# KiCad board uC_TP_Boussole_mb.kicad_pcb
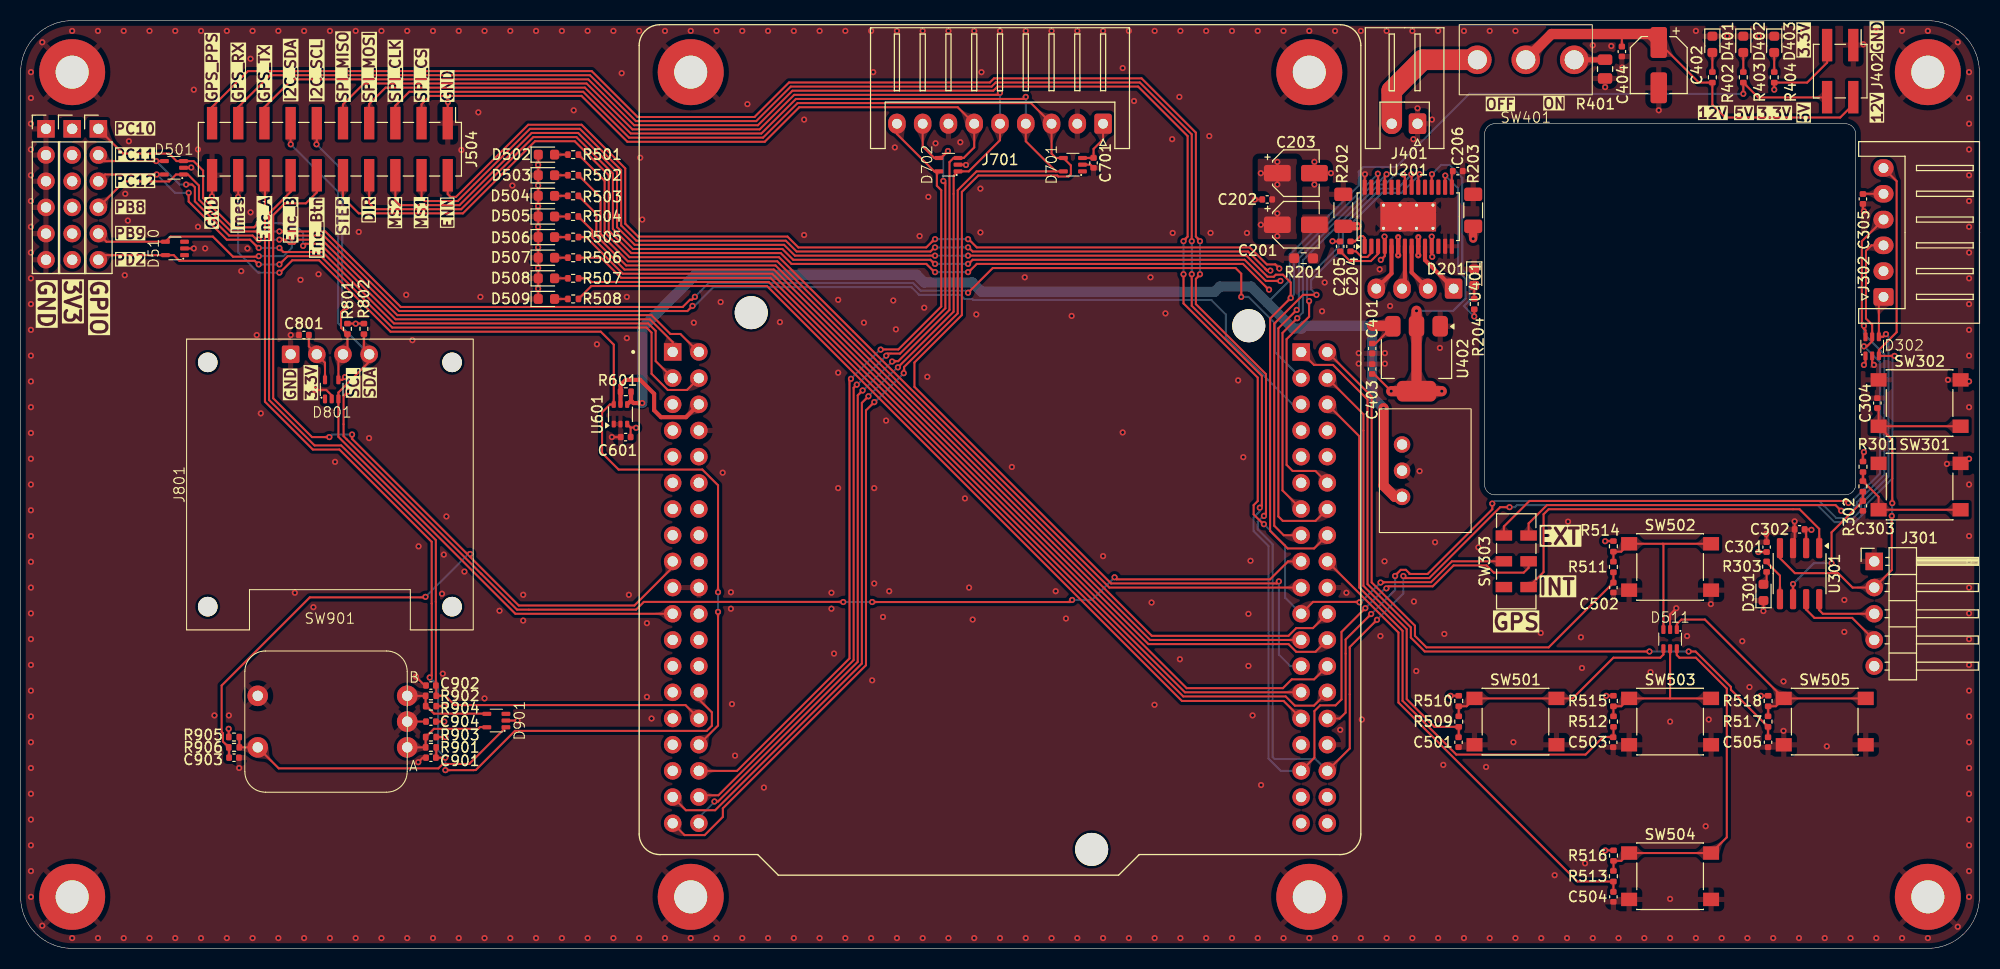
[diagram p0: board, top side]
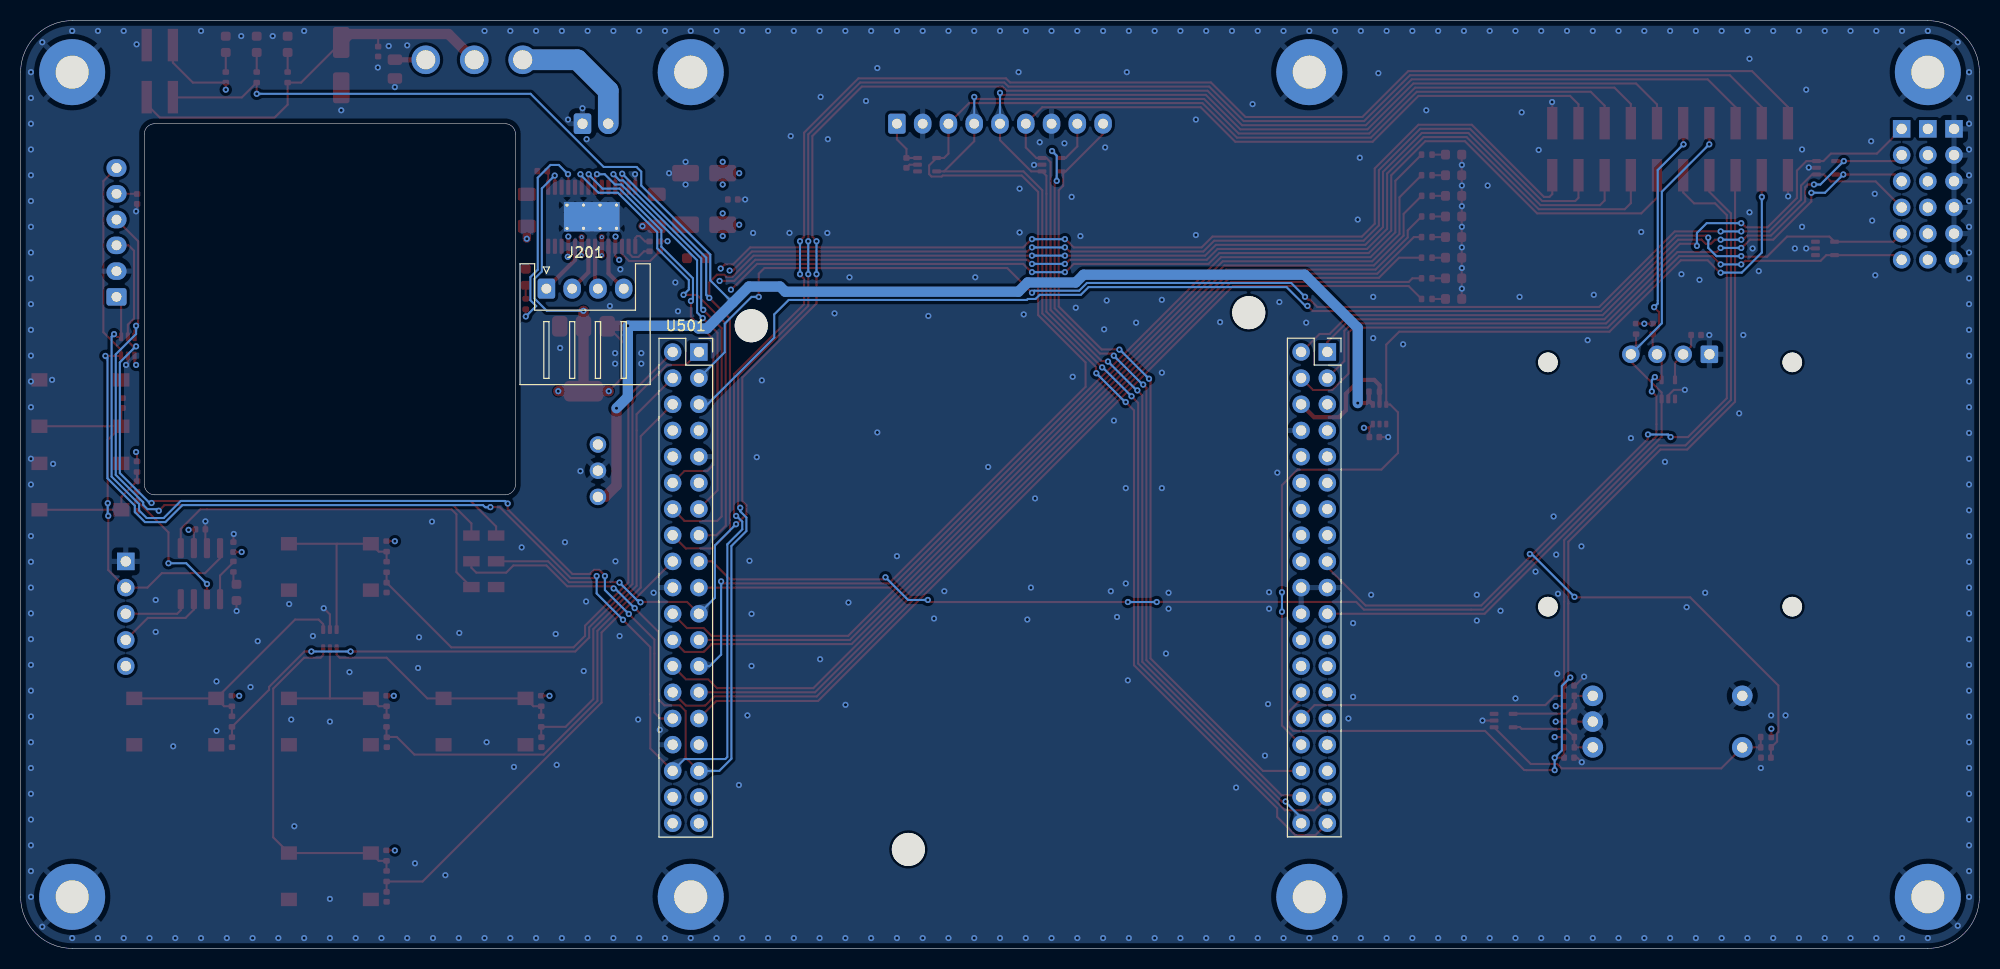
[diagram p1: board, bottom side, seen from below]

Outline 190 x 90 mm; copper layers: Top, In1.Cu, In2.Cu, Bottom. Coordinates in mm from the lower left corner of the outline.
Outline path: 0,85 0,5 arc(1.46,1.46) 5,0 185,0 arc(188.54,1.46) 190,5 190,85 arc(188.54,88.54) 185,90 5,90 arc(1.46,88.54) 0,85 ; 142,79 arc(142.29,79.71) 143,80 177,80 arc(177.71,79.71) 178,79 178,45 arc(177.71,44.29) 177,44 143,44 arc(142.29,44.29) 142,45 142,79
Stack: Top 0.035mm / dielectric 0.1mm FR4 er 4.5 / In1.Cu 0.035mm / dielectric 1.24mm FR4 er 4.5 / In2.Cu 0.035mm / dielectric 0.1mm FR4 er 4.5 / Bottom 0.035mm

## Placement (name value [footprint] x y rotation side)
C201  10u  [CP_Elec_4x5.7]  123.7 70.2 0 top
C202  100n  [C_0402_1005Metric]  120.92 72.65 180 top
C203  10u  [CP_Elec_4x5.7]  123.7 75.2 0 top
C204  22n  [C_0402_1005Metric]  129 68.1 90 top
C205  100n  [C_0402_1005Metric]  128 68.1 270 top
C206  4u7  [C_0402_1005Metric]  139.4 75.4 180 top
C301  4u7  [C_0402_1005Metric]  169.36 38.93 90 top
C302  100n  [C_0402_1005Metric]  172.56 40.65 180 top
C303  10n  [C_0402_1005Metric]  178.7 42.92 270 top
C304  100n  [C_0402_1005Metric]  180.1 52.9 90 top
C305  1u  [C_0402_1005Metric]  178.7 72.7 270 top
C401  10u  [C_0402_1005Metric]  131.1 58.2 270 top
C402  22u  [CP_Elec_5x5.4]  158.9 85.68 270 top
C403  100u  [C_0402_1005Metric]  131.1 56.2 90 top
C404  100n  [C_0402_1005Metric]  155.32 87 270 top
C501  10n  [C_0402_1005Metric]  139.48 20 270 top
C502  10n  [C_0402_1005Metric]  154.5 35 270 top
C503  10n  [C_0402_1005Metric]  154.48 20 270 top
C504  10n  [C_0402_1005Metric]  154.5 5 270 top
C505  10n  [C_0402_1005Metric]  169.5 20 270 top
C601  100n  [C_0402_1005Metric]  58.69 49.6 180 top
C701  1u  [C_0402_1005Metric]  104.07 76.2 270 top
C801  1u  [C_0402_1005Metric]  27.48 59.5 180 top
C901  10n  [C_0402_1005Metric]  39.8 18.5 180 top
C902  10n  [C_0402_1005Metric]  39.8 25.5 180 top
C903  10n  [C_0402_1005Metric]  20.7 18.5 0 top
C904  100n  [C_0402_1005Metric]  39.8 22 180 top
D201  RED_LED  [LED_0603_1608Metric]  141 65.11 270 top
D301  RED_LED  [LED_0603_1608Metric]  169.06 34.53 90 top
D302  WE 82402375  [SC70-6L]  179.6 58.4 0 top
D401  RED_LED  [LED_0603_1608Metric]  164.1 87.7 270 top
D402  RED_LED  [LED_0603_1608Metric]  167.1 87.7 270 top
D403  RED_LED  [LED_0603_1608Metric]  170.1 87.7 270 top
D501  WE 82402374  [SC70-5L]  14.9 75.72 90 top
D502  RED_LED  [LED_0603_1608Metric]  51 77 0 top
D503  AMBER_LED  [LED_0603_1608Metric]  51 75 0 top
D504  YELLOW_LED  [LED_0603_1608Metric]  51 73 0 top
D505  GREEN_LED  [LED_0603_1608Metric]  51 71 0 top
D506  GREEN_LED  [LED_0603_1608Metric]  51 69 0 top
D507  GREEN_LED  [LED_0603_1608Metric]  51 67 0 top
D508  GREEN_LED  [LED_0603_1608Metric]  51 65 0 top
D509  GREEN_LED  [LED_0603_1608Metric]  51 63 0 top
D510  WE 82402374  [SC70-5L]  15 67.9 90 top
D511  WE 82402375  [SC70-6L]  160 30 180 top
D701  WE 82402374  [SC70-5L]  102.1 76.03 90 top
D702  WE 82402374  [SC70-5L]  90.03 76.03 90 top
D801  WE 82402374  [SC70-5L]  30.17 54.2 0 top
D901  WE 82402374  [SC70-5L]  46.17 22.1 90 top
H101  MountingHole_Pad  [MountingHole_3.2mm_M3_Pad]  5 85 0 top
H102  MountingHole_Pad  [MountingHole_3.2mm_M3_Pad]  65 85 0 top
H103  MountingHole_Pad  [MountingHole_3.2mm_M3_Pad]  125 85 0 top
H104  MountingHole_Pad  [MountingHole_3.2mm_M3_Pad]  185 85 0 top
H105  MountingHole_Pad  [MountingHole_3.2mm_M3_Pad]  185 5 0 top
H106  MountingHole_Pad  [MountingHole_3.2mm_M3_Pad]  125 5 0 top
H107  MountingHole_Pad  [MountingHole_3.2mm_M3_Pad]  65 5 0 top
H108  MountingHole_Pad  [MountingHole_3.2mm_M3_Pad]  5 5 0 top
J201  Conn_01x04  [JST_XH_S4B-XH-A_1x04_P2.50mm_Horizontal]  139 64 180 bottom
J301  Conn_01x05  [PinHeader_1x05_P2.54mm_Horizontal]  179.8 37.54 0 top
J302  Conn_01x06  [JST_XH_S6B-XH-A_1x06_P2.50mm_Horizontal]  180.7 63.2 90 top
J401  Conn_01x02  [JST_XH_S2B-XH-A_1x02_P2.50mm_Horizontal]  135.5 80 180 top
J402  Conn_02x02_Counter_Clockwise  [PinHeader_2x02_P2.54mm_Vertical_SMD]  176.5 85.1 270 top
J501  Conn_01x06  [PinHeader_1x06_P2.54mm_Vertical]  2.46 79.5 0 top
J502  Conn_01x06  [PinHeader_1x06_P2.54mm_Vertical]  5 79.5 0 top
J503  Conn_01x06  [PinHeader_1x06_P2.54mm_Vertical]  7.54 79.5 0 top
J504  Conn_02x10_Odd_Even  [PinHeader_2x10_P2.54mm_Vertical_SMD]  30 77.53 270 top
J701  Conn_01x09  [JST_XH_S9B-XH-A_1x09_P2.50mm_Horizontal]  105 80 180 top
J801  Conn_01x04  [SBC-OLED01]  30 45 0 top
R201  110m  [R_0603_1608Metric_Pad0.98x0.95mm_HandSolder]  124.45 66.95 180 top
R202  680m  [R_1206_3216Metric_Pad1.30x1.75mm_HandSolder]  128.3 71.6 90 top
R203  680m  [R_1206_3216Metric_Pad1.30x1.75mm_HandSolder]  140.9 71.6 90 top
R204  820  [R_0402_1005Metric]  141 62.51 270 top
R301  10k  [R_0402_1005Metric]  178.71 46.72 90 top
R302  10k  [R_0402_1005Metric]  178.7 44.82 270 top
R303  800  [R_0402_1005Metric]  169.36 37.03 270 top
R401  1k  [R_0805_2012Metric]  153.69 85.3 270 top
R402  5k1  [R_0402_1005Metric]  164.1 84.5 90 top
R403  1k6  [R_0402_1005Metric]  167.1 84.5 90 top
R404  820  [R_0402_1005Metric]  170.1 84.5 90 top
R501  800  [R_0402_1005Metric]  53.6 77 180 top
R502  850  [R_0402_1005Metric]  53.6 75 180 top
R503  800  [R_0402_1005Metric]  53.59 73 180 top
R504  400  [R_0402_1005Metric]  53.59 71 180 top
R505  400  [R_0402_1005Metric]  53.6 69 180 top
R506  400  [R_0402_1005Metric]  53.6 67 180 top
R507  400  [R_0402_1005Metric]  53.6 65 180 top
R508  400  [R_0402_1005Metric]  53.6 63 180 top
R509  10k  [R_0402_1005Metric]  139.5 22 90 top
R510  10k  [R_0402_1005Metric]  139.5 24 90 top
R511  10k  [R_0402_1005Metric]  154.5 37 90 top
R512  10k  [R_0402_1005Metric]  154.51 22 90 top
R513  10k  [R_0402_1005Metric]  154.5 7 90 top
R514  10k  [R_0402_1005Metric]  154.5 39 90 top
R515  10k  [R_0402_1005Metric]  154.5 24 90 top
R516  10k  [R_0402_1005Metric]  154.51 9 90 top
R517  10k  [R_0402_1005Metric]  169.5 22 90 top
R518  10k  [R_0402_1005Metric]  169.51 24 90 top
R601  30m  [R_0402_1005Metric]  58.7 54 180 top
R801  1k  [R_0402_1005Metric]  31.7 60.1 90 top
R802  1k  [R_0402_1005Metric]  33.3 60.1 90 top
R901  10k  [R_0402_1005Metric]  39.8 19.5 180 top
R902  10k  [R_0402_1005Metric]  39.8 24.5 180 top
R903  10k  [R_0402_1005Metric]  39.8 20.5 180 top
R904  10k  [R_0402_1005Metric]  39.8 23.5 180 top
R905  10k  [R_0402_1005Metric]  20.7 20.5 0 top
R906  10k  [R_0402_1005Metric]  20.7 19.5 180 top
SW301  SW_Push  [SW_Push_1P1T_NO_6x6mm_H9.5mm]  184.2 44.8 0 top
SW302  SW_Push  [SW_Push_1P1T_NO_6x6mm_H9.5mm]  184.2 52.9 0 top
SW303  SW_Push_DPDT  [SW_DPDT_CK_JS202011JCQN]  145.07 37.55 90 top
SW401  SW_SPDT  [472121020311]  146 86.2 0 top
SW501  SW_Push  [SW_Push_1P1T_NO_6x6mm_H9.5mm]  145 22 0 top
SW502  SW_Push  [SW_Push_1P1T_NO_6x6mm_H9.5mm]  160 37 0 top
SW503  SW_Push  [SW_Push_1P1T_NO_6x6mm_H9.5mm]  160 22 0 top
SW504  SW_Push  [SW_Push_1P1T_NO_6x6mm_H9.5mm]  160 7 0 top
SW505  SW_Push  [SW_Push_1P1T_NO_6x6mm_H9.5mm]  175 22 0 top
SW901  RotaryEncoder_Switch  [482016514001_Mechanical_Incremental_Encoder_Switch]  30 22 0 top
U201  TMC2225-SA-T  [HTSSOP-28-1EP_4.4x9.7mm_P0.65mm_EP2.85x5.4mm_ThermalVias]  134.6 70.97 90 top
U301  STM32C011J4Mx  [SOIC-8_3.9x4.9mm_P1.27mm]  172.56 36.35 270 top
U401  173010542  [173010xxx]  134 46.34 270 top
U402  AMS1117-3.3  [SOT-223-3_TabPin2]  135.4 57.2 270 top
U501  NUCLEO_L476RG  [ST_NUCLEO_64]  95 35 0 top
U601  NCS199A3RSQT2G  [SOT-363_SC-70-6]  58.19 51.81 90 top

## Library data of the parts
C201 C203 = -: ki_fp_filters: CP_*
C202 C205 C206 = -: ki_fp_filters: C_*
C204 = -: Vmax: 50V; ki_fp_filters: C_*
C301-C305 C401 C403 C404 C501-C505 C601 C701 C801 C901-C904 = -: Description: Unpolarized capacitor, small symbol; ki_fp_filters: C_*
C402 = -: Description: Polarized capacitor; MPN: 865060442002; ki_fp_filters: CP_*
D201 D301 D401-D403 D502 = -: Datasheet: https://www.we-online.com/components/products/datasheet/150060RS55040.pdf; Description: Light emitting diode; MPN: 150060RS55040; ki_fp_filters: LED* LED_SMD:* LED_THT:*
D302 D511 = -: Datasheet: https://www.we-online.com/components/products/datasheet/82402375.pdf; Description: TVS 5V x5
D501 D510 D701 D702 D801 D901 = -: Datasheet: https://www.we-online.com/components/products/datasheet/82402374.pdf; Description: TVS 5V x4
D503 = -: Datasheet: https://www.we-online.com/components/products/datasheet/150060AS55040.pdf; Description: Light emitting diode; MPN: 150060AS55040; ki_fp_filters: LED* LED_SMD:* LED_THT:*
D504 = -: Datasheet: https://www.we-online.com/components/products/datasheet/150060YS55040.pdf; Description: Light emitting diode; MPN: 150060YS55040; ki_fp_filters: LED* LED_SMD:* LED_THT:*
D505-D509 = -: Datasheet: https://www.we-online.com/components/products/datasheet/150060GS55040.pdf; Description: Light emitting diode; MPN: 150060GS55040; ki_fp_filters: LED* LED_SMD:* LED_THT:*
H101-H108 = -: Description: Mounting Hole with connection; ki_fp_filters: MountingHole*Pad*
J201 J801 = -: Description: Generic connector, single row, 01x04, script generated (kicad-library-utils/schlib/autogen/connector/); ki_fp_filters: Connector*:*_1x??_*
J301 = -: Description: Generic connector, single row, 01x05, script generated (kicad-library-utils/schlib/autogen/connector/); ki_fp_filters: Connector*:*_1x??_*
J302 J501-J503 = -: Description: Generic connector, single row, 01x06, script generated (kicad-library-utils/schlib/autogen/connector/); ki_fp_filters: Connector*:*_1x??_*
J401 = -: Description: Generic connector, single row, 01x02, script generated (kicad-library-utils/schlib/autogen/connector/); ki_fp_filters: Connector*:*_1x??_*
J402 = -: Datasheet: https://www.we-online.com/components/products/datasheet/61000421121.pdf; Description: Generic connector, double row, 02x02, counter clockwise pin numbering scheme (similar to DIP package numbering), script generated (kicad-library-utils/schlib/autogen/connector/); MPN: 61000421121; ki_fp_filters: Connector*:*_2x??_*
J504 = -: Datasheet: https://www.we-online.com/components/products/datasheet/61002021121.pdf; Description: Generic connector, double row, 02x10, odd/even pin numbering scheme (row 1 odd numbers, row 2 even numbers), script generated (kicad-library-utils/schlib/autogen/connector/); MPN: 61002021121; ki_fp_filters: Connector*:*_2x??_*
J701 = -: Description: Generic connector, single row, 01x09, script generated (kicad-library-utils/schlib/autogen/connector/); ki_fp_filters: Connector*:*_1x??_*
R201-R204 = -: ki_fp_filters: R_*
R301-R303 R401-R404 R501-R518 R601 R801 R802 R901-R906 = -: Description: Resistor, small symbol; ki_fp_filters: R_*
SW301 SW302 SW501-SW505 = -: Description: Push button switch, generic, two pins
SW303 = -: Description: Momentary Switch, dual pole double throw
SW401 = -: Datasheet: https://www.we-online.com/components/products/datasheet/472121020311.pdf; Description: Switch, single pole double throw; MPN: 472121020311
SW901 = -: Datasheet: https://www.we-online.com/components/products/datasheet/482016514001.pdf; Description: Rotary encoder, dual channel, incremental quadrate outputs, with switch; MPN: 482016514001; ki_fp_filters: RotaryEncoder*Switch*
U201 = -: Datasheet: https://www.analog.com/media/en/technical-documentation/data-sheets/TMC2225_datasheet_rev1.15.pdf
U301 = -: Datasheet: https://www.st.com/resource/en/datasheet/stm32c011j4.pdf; Description: STMicroelectronics Arm Cortex-M0+ MCU, 16KB flash, 6KB RAM, 48 MHz, 2.0-3.6V, 6 GPIO, SO8N; ki_fp_filters: SO*3.9x4.9mm*P1.27mm*
U401 = -: Datasheet: https://www.we-online.com/components/products/datasheet/173010542.pdf; ki_fp_filters: CONN3_10542_WRE
U402 = -: Datasheet: http://www.advanced-monolithic.com/pdf/ds1117.pdf; Description: 1A Low Dropout regulator, positive, 3.3V fixed output, SOT-223; ki_fp_filters: SOT?223*TabPin2*
U601 = -: Datasheet: https://www.mouser.fr/datasheet/2/308/1/NCS199A1R_D-2317315.pdf

## Footprints (pads in the part's own frame, mm; a bottom-side part is the same pattern mirrored in y, then rotated)
173010xxx
  round 1.6 hole 1: 1(-2.54,0) 2(0,0) 3(2.54,0)
472121020311
  round 2.775 hole 1.85: 1(-4.7,0) 2(0,0) 3(4.7,0)
482016514001_Mechanical_Incremental_Encoder_Switch
  round 2 hole 1: A(7.5,-2.5) B(7.5,2.5) C(7.5,0) S1(-7,-2.5) S2(-7,2.5)
C_0402_1005Metric
  rrect 0.56x0.62 smd: 1(-0.48,0) 2(0.48,0)
CP_Elec_4x5.7
  rrect 2.6x1.6 smd: 1(-1.8,0) 2(1.8,0)
CP_Elec_5x5.4
  rrect 3x1.6 smd: 1(-2.2,0) 2(2.2,0)
HTSSOP-28-1EP_4.4x9.7mm_P0.65mm_EP2.85x5.4mm_ThermalVias
  rrect 2.3x1.45 smd: (0,1.8) (0,0) (0,-1.8)
  rrect 1.475x0.4 smd: 1(-2.862,4.225) 2(-2.862,3.575) 3(-2.862,2.925) 4(-2.862,2.275) 5(-2.862,1.625) 6(-2.862,0.975) 7(-2.862,0.325) 8(-2.862,-0.325) 9(-2.862,-0.975) 10(-2.862,-1.625) 11(-2.862,-2.275) 12(-2.862,-2.925) 13(-2.862,-3.575) 14(-2.862,-4.225) 15(2.862,-4.225) 16(2.862,-3.575) 17(2.862,-2.925) 18(2.862,-2.275) 19(2.862,-1.625) 20(2.862,-0.975) 21(2.862,-0.325) 22(2.862,0.325) 23(2.862,0.975) 24(2.862,1.625) 25(2.862,2.275) 26(2.862,2.925) 27(2.862,3.575) 28(2.862,4.225)
  round 0.6 hole 0.3: 29(-1.125,2.4) 29(-1.125,0.8) 29(-1.125,-0.8) 29(-1.125,-2.4) 29(1.125,2.4) 29(1.125,0.8) 29(1.125,-0.8) 29(1.125,-2.4)
  rect 2.85x5.4 smd: 29(0,0)
  rect 2.85x5.4 smd far side: 29(0,0)
JST_XH_S2B-XH-A_1x02_P2.50mm_Horizontal
  rrect 1.7x2 hole 1: 1(0,0)
  oval 1.7x2 hole 1: 2(2.5,0)
JST_XH_S4B-XH-A_1x04_P2.50mm_Horizontal
  rrect 1.7x1.95 hole 0.95: 1(0,0)
  oval 1.7x1.95 hole 0.95: 2(2.5,0) 3(5,0) 4(7.5,0)
JST_XH_S6B-XH-A_1x06_P2.50mm_Horizontal
  rrect 1.7x1.95 hole 0.95: 1(0,0)
  oval 1.7x1.95 hole 0.95: 2(2.5,0) 3(5,0) 4(7.5,0) 5(10,0) 6(12.5,0)
JST_XH_S9B-XH-A_1x09_P2.50mm_Horizontal
  rrect 1.7x1.95 hole 0.95: 1(0,0)
  oval 1.7x1.95 hole 0.95: 2(2.5,0) 3(5,0) 4(7.5,0) 5(10,0) 6(12.5,0) 7(15,0) 8(17.5,0) 9(20,0)
LED_0603_1608Metric
  rrect 0.875x0.95 smd: 1(-0.787,0) 2(0.787,0)
MountingHole_3.2mm_M3_Pad
  round 6.4 hole 3.2: 1(0,0)
PinHeader_1x05_P2.54mm_Horizontal
  rect 1.7x1.7 hole 1: 1(0,0)
  oval 1.7x1.7 hole 1: 2(0,-2.54) 3(0,-5.08) 4(0,-7.62) 5(0,-10.16)
PinHeader_1x06_P2.54mm_Vertical
  rect 1.7x1.7 hole 1: 1(0,0)
  oval 1.7x1.7 hole 1: 2(0,-2.54) 3(0,-5.08) 4(0,-7.62) 5(0,-10.16) 6(0,-12.7)
PinHeader_2x02_P2.54mm_Vertical_SMD
  rect 3.15x1 smd: 1(-2.525,1.27) 2(2.525,1.27) 3(-2.525,-1.27) 4(2.525,-1.27)
PinHeader_2x10_P2.54mm_Vertical_SMD
  rect 3.15x1 smd: 1(-2.525,11.43) 2(2.525,11.43) 3(-2.525,8.89) 4(2.525,8.89) 5(-2.525,6.35) 6(2.525,6.35) 7(-2.525,3.81) 8(2.525,3.81) 9(-2.525,1.27) 10(2.525,1.27) 11(-2.525,-1.27) 12(2.525,-1.27) 13(-2.525,-3.81) 14(2.525,-3.81) 15(-2.525,-6.35) 16(2.525,-6.35) 17(-2.525,-8.89) 18(2.525,-8.89) 19(-2.525,-11.43) 20(2.525,-11.43)
R_0402_1005Metric
  rrect 0.54x0.64 smd: 1(-0.51,0) 2(0.51,0)
R_0603_1608Metric_Pad0.98x0.95mm_HandSolder
  rrect 0.975x0.95 smd: 1(-0.912,0) 2(0.912,0)
R_0805_2012Metric
  rrect 1.025x1.4 smd: 1(-0.912,0) 2(0.912,0)
R_1206_3216Metric_Pad1.30x1.75mm_HandSolder
  rrect 1.3x1.75 smd: 1(-1.55,0) 2(1.55,0)
SBC-OLED01
  round 1.9 hole 1.9 unplated: (-11.85,11.85) (-11.85,-11.85) (11.85,11.85) (11.85,-11.85)
  rrect 1.7x1.7 hole 1: 1(-3.81,12.63)
  round 1.7 hole 1: 2(-1.27,12.63) 3(1.27,12.63) 4(3.81,12.63)
SC70-5L
  rrect 0.4x0.85 smd: 1(-0.65,-0.9) 2(0,-0.9) 3(0.65,-0.9) 4(0.65,0.95) 5(-0.65,0.95)
SC70-6L
  rrect 0.4x0.85 smd: 1(-0.65,-0.925) 2(0,-0.925) 3(0.65,-0.925) 4(0.65,0.925) 5(0,0.925) 6(-0.65,0.925)
SOIC-8_3.9x4.9mm_P1.27mm
  rrect 1.95x0.6 smd: 1(-2.475,1.905) 2(-2.475,0.635) 3(-2.475,-0.635) 4(-2.475,-1.905) 5(2.475,-1.905) 6(2.475,-0.635) 7(2.475,0.635) 8(2.475,1.905)
SOT-223-3_TabPin2
  rrect 2x1.5 smd: 1(-3.15,2.3) 2(-3.15,0) 3(-3.15,-2.3)
  rrect 2x3.8 smd: 2(3.15,0)
SOT-363_SC-70-6
  rrect 0.65x0.4 smd: 1(-0.95,0.65) 2(-0.95,0) 3(-0.95,-0.65) 4(0.95,-0.65) 5(0.95,0) 6(0.95,0.65)
ST_NUCLEO_64
  round 3.2 hole 3.2 unplated: (-24.13,26.67) (8.89,-25.4) (24.13,25.4)
  rect 1.7x1.7 hole 1: 101(-31.75,22.86) 201(29.21,22.85)
  oval 1.7x1.7 hole 1: 102(-29.21,22.86) 103(-31.75,20.32) 104(-29.21,20.32) 105(-31.75,17.78) 106(-29.21,17.78) 107(-31.75,15.24) 108(-29.21,15.24) 109(-31.75,12.7) 110(-29.21,12.7) 111(-31.75,10.16) 112(-29.21,10.16) 113(-31.75,7.62) 114(-29.21,7.62) 115(-31.75,5.08) 116(-29.21,5.08) 117(-31.75,2.54) 118(-29.21,2.54) 119(-31.75,0) 120(-29.21,0) 121(-31.75,-2.54) 122(-29.21,-2.54) 123(-31.75,-5.08) 124(-29.21,-5.08) 125(-31.75,-7.62) 126(-29.21,-7.62) 127(-31.75,-10.16) 128(-29.21,-10.16) 129(-31.75,-12.7) 130(-29.21,-12.7) 131(-31.75,-15.24) 132(-29.21,-15.24) 133(-31.75,-17.78) 134(-29.21,-17.78) 135(-31.75,-20.32) 136(-29.21,-20.32) 137(-31.75,-22.86) 138(-29.21,-22.86) 202(31.75,22.85) 203(29.21,20.32) 204(31.75,20.32) 205(29.21,17.78) 206(31.75,17.78) 207(29.21,15.24) 208(31.75,15.24) 209(29.21,12.7) 210(31.75,12.7) 211(29.21,10.16) 212(31.75,10.16) 213(29.21,7.62) 214(31.75,7.62) 215(29.21,5.08) 216(31.75,5.08) 217(29.21,2.54) 218(31.75,2.54) 219(29.21,0) 220(31.75,0) 221(29.21,-2.54) 222(31.75,-2.54) 223(29.21,-5.08) 224(31.75,-5.08) 225(29.21,-7.62) 226(31.75,-7.62) 227(29.21,-10.16) 228(31.75,-10.16) 229(29.21,-12.7) 230(31.75,-12.7) 231(29.21,-15.24) 232(31.75,-15.24) 233(29.21,-17.78) 234(31.75,-17.78) 235(29.21,-20.32) 236(31.75,-20.32) 237(29.21,-22.86) 238(31.75,-22.86)
SW_DPDT_CK_JS202011JCQN
  rect 1x1.6 smd: 1(-2.5,1.2) 2(0,1.2) 3(2.5,1.2) 4(-2.5,-1.2) 5(0,-1.2) 6(2.5,-1.2)
SW_Push_1P1T_NO_6x6mm_H9.5mm
  rect 1.55x1.3 smd: 1(-3.975,2.25) 1(3.975,2.25) 2(-3.975,-2.25) 2(3.975,-2.25)

## Nets
+3.3V: C301.1 C302.1 C305.1 C403.1 C601.1 C701.1 C801.1 C904.1 D302.1 D701.3 D801.5 J301.5 J302.5 J402.3 J502.1 J502.2 J502.3 J502.4 J502.5 J502.6 J701.1 J801.2 R301.2 R404.1 R510.2 R514.2 R515.2 R516.2 R518.2 R801.2 R802.2 R903.1 R904.1 R905.1 U201.16 U301.2 U402.2 U601.3
+5V: C401.1 J402.4 R403.1 R601.1 U401.3 U402.3 U601.4
+12V: C201.1 C202.1 C203.1 C205.1 C402.1 C404.1 J402.2 R402.1 SW401.2 U201.4 U201.11 U401.1
GND: C202.2 C203.2 C206.1 C301.2 C302.2 C303.2 C304.2 C305.2 C401.2 C402.2 C403.2 C404.2 C501.2 C502.2 C503.2 C504.2 C505.2 C601.2 C701.2 C801.2 C901.2 C902.2 C903.2 C904.2 D201.1 D301.1 D302.2 D401.1 D402.1 D403.1 D501.2 D502.1 D503.1 D504.1 D505.1 D506.1 D507.1 D508.1 D509.1 D510.2 D511.2 D701.2 D702.2 D801.2 D901.2 H101.1 H102.1 H103.1 H104.1 H105.1 H106.1 H107.1 H108.1 J301.1 J302.2 J401.1 J402.1 J501.1 J501.2 J501.3 J501.4 J501.5 J501.6 J504.1 J504.20 J701.2 J701.7 J801.1 R201.2 R202.2 R203.2 R401.2 SW301.1 SW302.1 SW501.2 SW502.2 SW503.2 SW504.2 SW505.2 SW901.C SW901.S2 U201.13 U201.14 U201.28 U201.29 U301.3 U401.2 U402.1 U501.108 U501.119 U501.120 U501.122 U501.209 U501.220 U501.232 U601.1 U601.2
/Current_NCS199A3RSQT2G/Imes: J504.18 U501.132 U601.6
/Current_NCS199A3RSQT2G/Load: R601.2 U501.106 U601.5
/GPS_TEL0094_STM32C011J4M6/GPS_EN: D302.4 J302.1 U501.230
/GPS_TEL0094_STM32C011J4M6/GPS_PPS: D302.3 J302.6 J504.19 U501.234
/GPS_TEL0094_STM32C011J4M6/GPS_RX: D302.5 J302.3 SW303.3
/GPS_TEL0094_STM32C011J4M6/GPS_TX: D302.6 J302.4 SW303.6
/GPS_TEL0094_STM32C011J4M6/NUCLEO_RX: J504.17 SW303.5 U501.233
/GPS_TEL0094_STM32C011J4M6/NUCLEO_TX: J504.15 SW303.2 U501.221
/GPS_TEL0094_STM32C011J4M6/STM32C0_BTN: C303.1 R302.2 U301.6
/GPS_TEL0094_STM32C011J4M6/STM32C0_LED: R303.1 U301.5
/GPS_TEL0094_STM32C011J4M6/STM32C0_NRST: C304.1 J301.2 SW302.2 U301.4
/GPS_TEL0094_STM32C011J4M6/STM32C0_SWCLK: J301.3 U301.8
/GPS_TEL0094_STM32C011J4M6/STM32C0_SWDIO: J301.4 U301.7
/GPS_TEL0094_STM32C011J4M6/STM32C0_TX: SW303.4 U301.1
/Magnetometre_BMM150_SEN0419/INT: D702.5 J701.9 U501.134
/Magnetometre_BMM150_SEN0419/SPI_CLK: D701.4 J504.5 J701.3 U501.225
/Magnetometre_BMM150_SEN0419/SPI_CS: D702.3 J504.3 J701.6 U501.138
/Magnetometre_BMM150_SEN0419/SPI_MISO: D702.1 J504.9 J701.5 U501.135
/Magnetometre_BMM150_SEN0419/SPI_MOSI: D701.5 J504.7 J701.4 U501.137
/Magnetometre_BMM150_SEN0419/STATUS: D702.4 J701.8 U501.136
/NUCLEO_L476RG/BTN_B: D511.6 R513.2 R516.1 SW504.1
/NUCLEO_L476RG/BTN_BOT: C504.1 R513.1 U501.218
/NUCLEO_L476RG/BTN_C: D511.5 R512.2 R515.1 SW503.1
/NUCLEO_L476RG/BTN_CENTER: C503.1 R512.1 U501.206
/NUCLEO_L476RG/BTN_L: D511.4 R509.2 R510.1 SW501.1
/NUCLEO_L476RG/BTN_LEFT: C501.1 R509.1 U501.204
/NUCLEO_L476RG/BTN_R: D511.1 R517.2 R518.1 SW505.1
/NUCLEO_L476RG/BTN_RIGHT: C505.1 R517.1 U501.201
/NUCLEO_L476RG/BTN_T: D511.3 R511.2 R514.1 SW502.1
/NUCLEO_L476RG/BTN_TOP: C502.1 R511.1 U501.202
/NUCLEO_L476RG/ENC_BTN: C903.1 J504.12 R906.2 U501.117
/NUCLEO_L476RG/I2C1_SCL: D801.4 J504.11 J801.3 R801.1 U501.217
/NUCLEO_L476RG/I2C1_SDA: D801.3 J504.13 J801.4 R802.1 U501.121
/NUCLEO_L476RG/LED_0: R501.1 U501.219
/NUCLEO_L476RG/LED_1: R502.1 U501.222
/NUCLEO_L476RG/LED_2: R503.1 U501.223
/NUCLEO_L476RG/LED_3: R504.1 U501.224
/NUCLEO_L476RG/LED_4: R505.1 U501.226
/NUCLEO_L476RG/LED_5: R506.1 U501.227
/NUCLEO_L476RG/LED_6: R507.1 U501.228
/NUCLEO_L476RG/LED_7: R508.1 U501.229
/NUCLEO_L476RG/PB8: D501.1 J503.4 U501.203
/NUCLEO_L476RG/PB9: D510.4 J503.5 U501.205
/NUCLEO_L476RG/PC10: D501.3 J503.1 U501.101
/NUCLEO_L476RG/PC11: D501.4 J503.2 U501.102
/NUCLEO_L476RG/PC12: D501.5 J503.3 U501.103
/NUCLEO_L476RG/PD2: D510.5 J503.6 U501.104
/NUCLEO_L476RG/STEPPER_DIR: J504.8 U201.20 U501.215
/NUCLEO_L476RG/STEPPER_ENN: J504.2 U201.21 U501.212
/NUCLEO_L476RG/STEPPER_MS1: J504.4 U201.25 U501.214
/NUCLEO_L476RG/STEPPER_MS2: J504.6 U201.26 U501.216
/NUCLEO_L476RG/TIM2_CH1_ENC_A: C901.1 J504.16 R901.1 U501.128
/NUCLEO_L476RG/TIM2_CH2_ENC_B: C902.1 J504.14 R902.1 U501.130